# KiCad board pcb.kicad_pcb (continued)
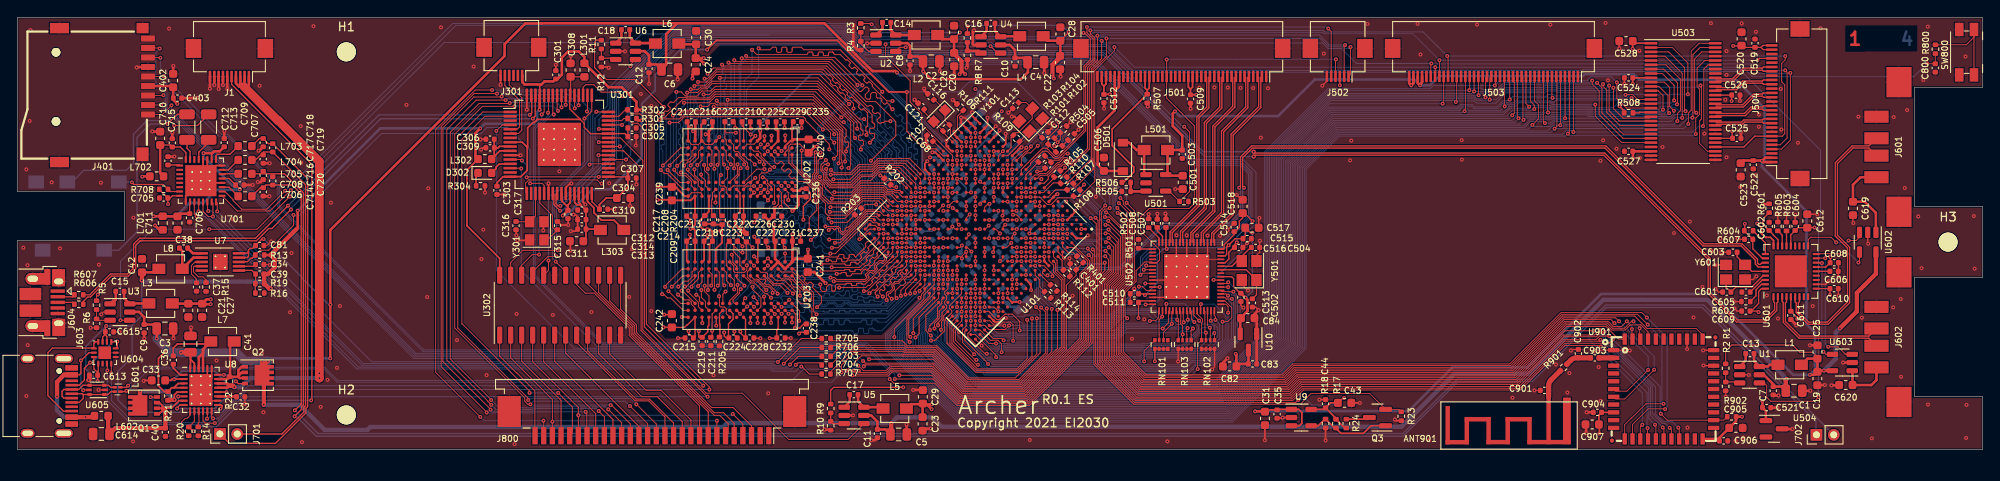
[diagram p0: board, top side]
## Routing (per net, layer and track width the routed paths; a pad name or vN(x,y) marks a point on that pad's centre or on a via; arc(x,y) is an arc through that point) (continued)
/ddr/DRAM_ADDR12: length 69.4
  Top w0.1: U202.N7 79.88,31.77 79.37,32.28 79.37,32.87 v1(79.32,32.92) ; 79.89,16.9 79.89,17.77 79.38,18.27 79.38,18.94 v1(79.39,18.95) ; U101.T22 v2(103.77,22.32) ; v1(96,32.56) 96.25,32.81 96.25,37.88 92.48,41.65 80.54,41.65 79.97,41.08 v1(79.27,41.08)
  Bottom w0.1: v1(79.27,41.08) 79.32,41.03 79.32,37.22 79.12,37.02 79.12,36.22 79.32,36.02 v1(79.32,32.92) 79.37,32.87 79.37,26.39 79.21,26.23 79.21,24.51 79.37,24.35 79.37,18.97 v1(79.39,18.95) ; v1(96,32.56) 96.18,32.38 96.18,24.26 99.23,21.21 102.13,21.21 103.24,22.32 v2(103.77,22.32)
/ddr/DRAM_ADDR13: length 68.5
  Top w0.1: v1(75.34,37.82) 76.37,37.82 77.04,38.49 90.8,38.49 91.01,38.28 91.01,38.1 93.78,35.32 v1(93.78,34.73) ; v1(75.59,18.83) 76.86,20.1 77.49,20.1 ; U202.T3 76.58,34.1 v1(75.34,32.85) ; U101.P23 v2(104.3,20.73)
  Bottom w0.1: v1(75.59,18.83) 75.48,18.94 75.48,32.71 v1(75.34,32.85) 75.44,32.96 75.44,37.71 v1(75.34,37.82) ; 94.24,34.25 94.78,33.71 94.78,33.57 94.45,33.25 94.45,32.97 94.55,32.88 94.55,31.78 95.08,31.26 95.08,24 99.42,19.66 103.23,19.66 v2(104.3,20.73) ; 94.24,34.25 93.78,34.71 v1(93.78,34.73) ; 94.24,34.25 94.22,34.27
/ddr/DRAM_ADDR14: length 69.1
  Top w0.1: v1(75.21,18.32) 76.63,16.9 77.49,16.9 ; U202.T7 76.54,30.9 v1(75.1,32.34) ; v1(74.55,38.83) 74.55,38.9 74.78,39.13 arc(74.87,39.17) 74.96,39.13 arc(75.05,39.1) 75.14,39.13 75.38,39.38 arc(75.42,39.47) 75.38,39.56 75.19,39.75 arc(75.14,39.86) 75.19,39.96 75.4,40.18 arc(75.51,40.22) 75.61,40.18 arc(75.72,40.13) 75.83,40.18 76.36,40.71 77.23,40.71 77.27,40.67 79.89,40.67 80.6,41.38 92.22,41.38 v1(95.18,38.42) ; U101.AB18 v2(102.71,27.62)
  Bottom w0.1: v2(102.71,27.62) 102.18,27.62 101.71,28.09 arc(101.69,28.14) 101.71,28.19 arc(101.73,28.24) 101.71,28.3 101.39,28.62 arc(101.34,28.64) 101.29,28.62 101.16,28.49 arc(101.09,28.46) 101.02,28.49 100.74,28.77 arc(100.71,28.85) 100.74,28.92 100.87,29.05 100.87,29.18 100.68,29.37 100.68,33.53 arc(100.65,33.6) 100.58,33.63 arc(100.51,33.66) 100.48,33.73 100.48,34.13 arc(100.51,34.2) 100.58,34.23 arc(100.65,34.26) 100.68,34.33 100.69,34.34 100.69,34.47 100.58,34.58 100.44,34.58 98.11,36.91 arc(98.04,36.93) 97.97,36.91 arc(97.9,36.88) 97.83,36.91 97.54,37.19 arc(97.51,37.26) 97.54,37.33 arc(97.57,37.4) 97.54,37.47 97.26,37.75 97.26,37.75 97.08,37.94 96.84,37.94 96.41,37.51 96.17,37.51 95.85,37.84 95.85,38.04 96.31,38.5 96.31,38.71 95.98,39.03 95.79,39.03 v1(95.18,38.42) ; v1(75.21,18.32) 75.21,18.32 75.21,32.23 v1(75.1,32.34) 74.94,32.5 74.94,38.44 v1(74.55,38.83)
/ddr/DRAM_BA0: length 68.3
  Top w0.1: v1(80.9,18.96) 81.07,19.13 81.07,20.52 80.69,20.9 ; U101.R22 v2(104.3,21.79) ; v1(80.79,40.36) 81.08,40.07 91.99,40.07 95.14,36.92 95.14,33.55 95.22,33.47 95.22,33.19 95.27,33.14 95.27,32.67 v1(95.21,32.61) ; v1(80.87,32.93) 81.06,33.13 81.06,34.52 U202.M2
  Bottom w0.1: 80.7,36.33 80.89,36.53 80.89,40.26 v1(80.79,40.36) ; 80.7,36.33 80.7,35.49 ; 80.7,36.33 80.7,35.49 ; 80.7,36.33 80.7,36.34 ; 80.7,35.49 80.7,35.49 80.7,35.14 arc(80.74,35.05) 80.83,35.01 arc(80.91,34.98) 80.95,34.89 80.95,33.02 v1(80.87,32.93) 80.89,32.91 80.89,31.94 80.88,31.94 80.88,31.57 81.01,31.44 81.01,28.39 80.81,28.18 80.81,19.06 v1(80.9,18.96) ; v2(104.3,21.79) 103.77,21.79 103.27,21.3 arc(103.22,21.27) 103.17,21.3 arc(103.12,21.32) 103.06,21.3 102.74,20.98 arc(102.72,20.93) 102.74,20.87 102.9,20.71 arc(102.95,20.61) 102.9,20.5 102.69,20.29 arc(102.59,20.25) 102.48,20.29 arc(102.37,20.33) 102.27,20.29 102.22,20.24 99.64,20.24 95.49,24.39 95.49,28.43 arc(95.52,28.49) 95.57,28.51 arc(95.62,28.53) 95.64,28.58 95.64,29.03 arc(95.62,29.09) 95.57,29.11 arc(95.52,29.13) 95.49,29.18 95.49,29.5 arc(95.52,29.56) 95.57,29.58 arc(95.62,29.6) 95.64,29.65 95.64,30.1 arc(95.62,30.16) 95.57,30.18 arc(95.52,30.2) 95.49,30.25 95.49,31.41 95.15,31.75 95.15,32.16 95.21,32.22 v1(95.21,32.61)
/ddr/DRAM_BA1: length 68.8
  Top w0.1: v1(79,18.46) 79,17.59 79.49,17.11 79.49,16.5 79.89,16.1 ; U101.P22 v2(104.83,21.26) ; v1(78.92,39.69) 79.75,39.69 80.12,40.05 80.56,40.05 80.76,39.86 91.86,39.86 94.94,36.78 94.94,33.2 v1(94.85,33.11) ; 78.97,31.73 v1(78.97,31.81) 78.97,31.62 79.48,31.11 79.48,30.5 U202.N8
  Bottom w0.1: v1(79,18.46) 79.01,18.46 79.01,32.43 78.92,32.51 78.92,39.69 v1(78.92,39.69) ; v2(104.83,21.26) 104.3,21.26 103.06,20.02 99.58,20.02 95.29,24.3 95.29,31.32 94.75,31.87 94.75,33.01 v1(94.85,33.11)
/ddr/DRAM_BA2: length 68.7
  Top w0.1: v1(94.31,33.64) 94.74,34.07 94.74,36.62 91.77,39.58 80.5,39.58 v1(80.42,39.66) ; U101.N23 104.85,20.2 v2(104.84,20.19) ; U202.M3 80.48,33.9 80.48,32.51 v1(80.51,32.48) ; 80.69,20.1 80.52,19.93 80.52,18.48 v1(80.52,18.48)
  Bottom w0.1: v2(104.84,20.19) 103.99,19.33 102.67,19.33 arc(102.56,19.29) 102.52,19.18 arc(102.47,19.08) 102.37,19.03 102.07,19.03 arc(101.96,19.08) 101.92,19.18 101.92,19.38 arc(101.9,19.42) 101.87,19.43 101.37,19.43 arc(101.33,19.42) 101.32,19.38 101.32,19.18 arc(101.27,19.08) 101.17,19.03 100.87,19.03 arc(100.76,19.08) 100.72,19.18 100.72,19.38 arc(100.7,19.42) 100.67,19.43 100.17,19.43 arc(100.13,19.42) 100.12,19.38 100.12,19.18 arc(100.07,19.08) 99.97,19.03 99.67,19.03 arc(99.56,19.08) 99.52,19.18 arc(99.47,19.29) 99.37,19.33 99.21,19.33 98.8,19.74 arc(98.78,19.79) 98.8,19.84 arc(98.82,19.9) 98.8,19.95 98.48,20.27 arc(98.43,20.29) 98.38,20.27 98.22,20.11 arc(98.11,20.06) 98.01,20.11 97.79,20.32 arc(97.75,20.43) 97.79,20.53 arc(97.84,20.64) 97.79,20.74 94.87,23.67 94.87,31.18 94.35,31.7 94.35,32.79 94.25,32.89 94.25,33.59 v1(94.31,33.64) ; v1(80.42,39.66) 80.42,38.9 80.48,38.85 80.48,32.51 v1(80.51,32.48) 80.52,32.47 80.52,29.44 80.18,29.1 80.18,28.3 80.52,27.96 80.52,18.48 v1(80.52,18.48)
/ddr/DRAM_CASB: length 69.1
  Top w0.1: U202.K3 82.8,33.58 82.8,32.55 v1(82.79,32.54) ; v1(82.8,18.54) 82.81,18.55 82.81,19.58 82.29,20.1 ; v1(82.81,45.04) 82.97,44.87 93.8,44.87 97.25,41.42 97.47,41.42 97.96,41.92 98.16,41.92 98.36,41.71 98.36,41.49 97.93,41.06 97.93,40.75 98.15,40.53 98.43,40.53 98.56,40.65 98.56,41.11 98.76,41.3 99.09,41.3 99.22,41.17 99.22,40.79 99.35,40.65 99.72,40.65 99.85,40.53 arc(99.87,40.46) 99.85,40.39 arc(99.82,40.32) 99.85,40.25 100.13,39.96 arc(100.2,39.93) 100.27,39.96 100.39,40.09 arc(100.45,40.11) 100.5,40.09 100.82,39.77 arc(100.84,39.72) 100.82,39.66 arc(100.8,39.61) 100.82,39.56 101.01,39.37 v1(101.08,39.37) ; U101.AC14 v2(104.3,30.27)
  Bottom w0.1: v1(101.08,39.37) 101.31,39.14 arc(101.33,39.07) 101.31,39 arc(101.28,38.93) 101.31,38.86 101.59,38.57 arc(101.66,38.55) 101.73,38.57 101.87,38.72 arc(101.94,38.75) 102.01,38.72 102.3,38.43 arc(102.32,38.36) 102.3,38.29 102.15,38.15 arc(102.12,38.08) 102.15,38.01 102.44,37.73 arc(102.51,37.7) 102.58,37.73 102.72,37.87 arc(102.79,37.9) 102.86,37.87 103.14,37.58 arc(103.17,37.51) 103.14,37.44 arc(103.11,37.37) 103.14,37.3 103.31,37.13 103.65,37.13 103.78,37 103.78,36.69 103.77,36.68 arc(103.74,36.61) 103.67,36.58 arc(103.6,36.55) 103.57,36.48 103.57,36.08 arc(103.6,36.01) 103.67,35.98 103.87,35.98 arc(103.94,35.95) 103.97,35.88 103.97,35.48 arc(103.94,35.41) 103.87,35.38 103.67,35.38 arc(103.6,35.35) 103.57,35.28 103.57,34.88 arc(103.6,34.81) 103.67,34.78 103.87,34.78 arc(103.94,34.75) 103.97,34.68 103.97,34.28 arc(103.94,34.21) 103.87,34.18 103.67,34.18 arc(103.6,34.15) 103.57,34.08 103.57,33.68 arc(103.6,33.61) 103.67,33.58 103.87,33.58 arc(103.94,33.55) 103.97,33.48 103.97,33.08 arc(103.94,33.01) 103.87,32.98 103.67,32.98 arc(103.6,32.95) 103.57,32.88 103.57,32.48 arc(103.6,32.41) 103.67,32.38 103.87,32.38 arc(103.94,32.35) 103.97,32.28 103.97,31.88 arc(103.94,31.81) 103.87,31.78 arc(103.8,31.75) 103.77,31.68 103.77,30.8 v2(104.3,30.27) ; 82.8,23.26 82.97,23.1 82.97,21.99 82.8,21.82 v1(82.8,18.54) ; 82.8,23.26 82.8,32.53 v1(82.79,32.54) 82.79,32.54 82.79,36.24 82.63,36.41 82.63,36.51 82.43,36.7 82.43,37.82 82.81,38.2 v1(82.81,45.04) ; 82.8,23.26 82.8,23.27
/ddr/DRAM_CKE: length 68.1
  Top w0.1: U101.AB17 v2(103.24,28.15) ; U202.K9 81.87,29.71 81.87,30.3 81.68,30.49 81.23,30.49 81.1,30.62 81.1,31.59 v1(81.26,31.75) ; v1(97.81,38.23) 97.24,38.23 92.48,42.99 v1(81.14,42.99) ; 100.97,30.53 R202.2 101.14,30.36 v1(101.52,30.36) ; v1(81.04,17.73) 81.11,17.67 81.11,16.62 81.24,16.49 81.69,16.49 81.88,16.3 81.88,15.71 82.29,15.3
  Bottom w0.1: v1(97.81,38.23) 101.52,34.52 101.52,33.26 ; v1(81.04,17.73) 81.04,18.26 81.28,18.5 81.28,24.55 81.64,24.91 81.64,25.85 ; v2(103.24,28.15) 102.71,28.15 101.52,29.34 v1(101.52,30.36) 101.52,33.26 ; v1(81.14,42.99) 81.25,42.88 81.25,36.54 81.42,36.37 81.42,36.3 81.5,36.22 81.5,36.06 81.43,35.98 81.43,35.81 81.25,35.62 81.25,26.25 81.64,25.85 ; 81.64,25.85 81.45,26.05 ; 101.52,33.26 101.52,30.54
/ddr/DRAM_CKN: length 70.1
  Top w0.1: v1(83.67,45.25) 83.78,45.14 94.08,45.14 v1(97.04,42.18) ; v1(83.18,32.97) 83.17,32.96 83.17,32.45 83.16,32.44 83.16,31.81 82.28,30.93 U202.K7 ; v1(97.27,24.33) 97.53,24.33 98.17,24.97 U101.AD25 ; v1(83.19,19.04) 83.18,19.03 83.18,18.13 82.29,17.24 82.29,16.9
  Bottom w0.1: v1(97.27,24.33) 97.27,24.54 97.05,24.76 97.05,33.27 96.12,34.2 96.12,34.63 94.87,35.88 93.37,35.88 92.44,36.8 92.44,37.25 97.04,41.85 v1(97.04,42.18) ; v1(83.67,45.25) 83.67,44.9 83.37,44.59 83.37,33.16 v1(83.18,32.97) 83.17,32.96 83.17,19.06 v1(83.19,19.04)
/ddr/DRAM_CKP: length 70.8
  Top w0.1: 83.36,31.73 83.36,31.83 ; 83.36,31.73 83.36,32.36 v1(83.55,32.55) ; 83.36,31.73 82.88,31.25 82.88,31.1 U202.J7 ; v1(84.17,45.53) 84.33,45.37 94.41,45.37 97.6,42.18 v1(97.6,42.12) ; U203.J7 82.84,16.9 82.67,17.08 82.67,17.33 83.38,18.04 83.38,18.37 v1(83.56,18.55) ; v1(97.5,24.84) 97.74,24.84 98.4,25.5 U101.AD24
  Bottom w0.1: v1(97.5,24.84) 97.33,24.84 97.25,24.93 97.25,33.35 96.32,34.28 96.32,34.71 94.95,36.08 93.45,36.08 92.64,36.89 92.64,37.17 v1(97.6,42.12) ; v1(84.17,45.53) 84.17,45.12 83.57,44.51 83.57,33.08 83.56,33.08 83.56,32.57 v1(83.55,32.55) 83.37,32.38 83.37,19.42 83.57,19.22 83.57,18.56 v1(83.56,18.55)
/ddr/DRAM_CSB: length 69.1
  Top w0.1: 81.49,20.9 81.89,20.5 81.89,19.54 v1(82.42,19.01) ; v1(82.41,32.98) 81.88,33.51 81.88,34.5 U202.L2 ; v1(82.14,44.75) 82.24,44.66 93.61,44.66 98.02,40.24 99.16,40.24 101.46,37.94 101.46,36.28 v1(98.59,33.41) ; U101.AB23 v2(100.05,24.97)
  Bottom w0.1: 82.08,23.02 82.24,23.18 ; 82.08,23.02 82.08,22.16 82.41,21.84 82.41,19.02 v1(82.42,19.01) ; 82.08,23.02 82.41,23.35 82.41,32.98 v1(82.41,32.98) 82.43,33 82.43,36.42 82.23,36.62 82.23,37.91 82.42,38.1 82.42,44.47 v1(82.14,44.75) ; v2(100.05,24.97) 99.04,24.97 98.59,25.42 v1(98.59,33.41)
/ddr/DRAM_DATA0: length 22.2
  Top w0.1: v1(94.44,23.91) 95.01,23.91 98.07,26.97 99.19,26.97 99.6,26.56 U101.AD22 ; U202.A7 89.91,30.47 v1(89.95,30.47)
  Bottom w0.1: v1(89.95,30.47) 89.55,30.07 89.55,29.79 89.86,29.49 90.08,29.49 90.25,29.65 90.25,30.1 90.61,30.47 90.84,30.47 90.95,30.36 90.95,29.64 91.13,29.46 91.34,29.46 91.49,29.61 91.49,30.32 91.65,30.47 91.99,30.47 92.11,30.35 92.11,30.19 91.96,30.04 91.96,29.78 92.01,29.73 92.16,29.73 92.38,29.94 92.59,29.94 94.01,28.53 94.02,28.54 94.45,28.54 94.62,28.37 94.62,27.91 94.62,27.91 94.62,24.1 v1(94.44,23.91)
/ddr/DRAM_DATA1: length 22.6
  Top w0.1: v1(93.91,22.66) 94.47,22.66 98.3,26.49 98.61,26.49 98.87,26.22 99.33,26.22 U101.AD23 ; v1(91.65,24.25) 92.55,25.15 92.55,28.98 92.41,29.12 92.41,30.16 89.48,33.09 U202.A3
  Bottom w0.1: v1(93.91,22.66) 93.27,22.66 93.01,22.93 arc(92.97,23.03) 93.01,23.14 arc(93.06,23.24) 93.01,23.35 92.8,23.56 arc(92.69,23.61) 92.59,23.56 92.37,23.35 arc(92.27,23.31) 92.16,23.35 91.95,23.56 arc(91.91,23.67) 91.95,23.77 arc(91.99,23.88) 91.95,23.99 91.69,24.25 v1(91.65,24.25)
/ddr/DRAM_DATA2: length 21.3
  Top w0.1: v1(90.59,34.58) 90.59,32.26 92.61,30.24 92.61,29.2 93.34,28.47 93.34,27.33 93.57,27.11 95.68,27.11 97.6,29.03 99.71,29.03 U101.AE20 ; U202.C2 87.91,34.9 v1(88.27,34.54)
  Bottom w0.1: v1(88.27,34.54) 88.75,35.02 89.07,35.02 89.23,34.86 89.23,34.53 89.38,34.37 89.4,34.39 89.75,34.39 89.87,34.51 89.87,34.88 90.06,35.06 90.45,35.06 90.6,34.91 90.6,34.87 90.59,34.86 v1(90.59,34.58)
/ddr/DRAM_DATA3: length 22.1
  Top w0.1: U202.A2 89.11,34.53 89.11,33.18 92.15,30.14 92.15,29.09 92.34,28.91 92.34,27.67 92.1,27.43 ; 92.1,27.43 91.46,26.79 v1(91.46,25.41) ; 92.1,27.43 92.06,27.4 ; U101.AE23 98.82,26.74 98.19,26.74 94.79,23.34 v1(94.09,23.34)
  Bottom w0.1: v1(94.09,23.34) 93.56,23.34 92.85,24.05 arc(92.8,24.16) 92.85,24.26 arc(92.89,24.37) 92.85,24.47 92.64,24.69 arc(92.53,24.73) 92.42,24.69 92.21,24.47 arc(92.11,24.43) 92,24.47 91.79,24.69 arc(91.74,24.79) 91.79,24.9 arc(91.83,25.01) 91.79,25.11 91.49,25.41 v1(91.46,25.41)
/ddr/DRAM_DATA4: length 21.8
  Top w0.1: v1(87.39,28.53) 87.44,28.59 87.44,30.53 U202.D7 ; v1(93.78,24.29) 95.11,24.29 98.09,27.27 99.35,27.27 U101.AE22
  Bottom w0.1: v1(87.39,28.53) 86.88,28.02 86.88,27.39 87.06,27.2 87.19,27.2 87.43,27.44 87.55,27.44 87.79,27.2 87.79,27.17 87.52,26.9 87.52,26.75 87.66,26.61 87.73,26.59 87.79,26.61 87.81,26.63 88.01,26.83 arc(88.11,26.87) 88.22,26.83 88.43,26.61 arc(88.48,26.51) 88.43,26.4 arc(88.39,26.3) 88.43,26.19 88.72,25.9 89.61,25.9 arc(89.72,25.95) 89.76,26.05 arc(89.8,26.16) 89.91,26.2 90.21,26.2 arc(90.32,26.16) 90.36,26.05 90.36,25.75 arc(90.4,25.65) 90.51,25.6 90.81,25.6 arc(90.92,25.65) 90.96,25.75 90.96,26.05 arc(91,26.16) 91.11,26.2 91.41,26.2 arc(91.52,26.16) 91.56,26.05 arc(91.6,25.95) 91.71,25.9 91.99,25.9 93.6,24.29 v1(93.78,24.29)
/ddr/DRAM_DATA5: length 22.3
  Top w0.1: v1(89.04,28.86) 89.04,29.73 U202.B8 ; U101.AD19 101.07,28.15 99.96,29.25 97.54,29.25 95.78,27.49 v1(93.85,27.49)
  Bottom w0.1: v1(93.85,27.49) 93.34,28 93.34,28.12 93.66,28.45 93.66,28.57 93.36,28.87 93.22,28.87 92.79,28.45 92.68,28.45 92.39,28.74 92.39,28.85 92.81,29.27 92.81,29.44 92.66,29.59 92.5,29.59 92.21,29.3 91.84,29.3 91.55,29 91.52,29 91.38,29.14 91.24,29.14 91.12,29.02 91.12,28.61 90.96,28.46 90.79,28.46 90.64,28.6 90.64,29.1 90.5,29.24 90.27,29.24 90.17,29.13 90.17,28.71 89.96,28.51 89.89,28.51 89.69,28.71 89.69,29.19 89.16,29.71 88.84,29.71 88.66,29.53 88.66,29.25 v1(89.04,28.86)
/ddr/DRAM_DATA6: length 23.5
  Top w0.1: U202.C3 87.88,34.1 v1(87.5,34.48) ; U101.AD18 101.65,28.68 100.86,29.47 100.31,29.47 100.01,29.77 97.5,29.77 96.16,28.44 93.67,28.44 92.81,29.3 92.81,30.33 91.87,31.27 91.87,31.84 92.09,32.06 92.09,34.26 v1(92.21,34.38)
  Bottom w0.1: v1(92.21,34.38) 91.92,34.09 91.77,34.09 91.66,34.2 91.66,34.61 91.55,34.73 91.31,34.73 91.22,34.64 91.22,34.22 91.1,34.09 89.2,34.09 89.07,34.22 89.07,34.41 88.94,34.54 88.78,34.54 88.7,34.46 88.7,34.17 88.63,34.09 87.89,34.09 v1(87.5,34.48)
/ddr/DRAM_DATA7: length 24.7
  Top w0.1: v1(93.91,28.04) 96.05,28.04 97.52,29.52 99.98,29.52 100.82,28.68 U101.AE19 ; U202.C8 88.27,29.71 88.27,28.17 v1(88.17,28.07)
  Bottom w0.1: v1(88.17,28.07) 87.86,27.76 87.86,27.53 88.01,27.37 88.13,27.37 88.53,27.78 88.73,27.78 88.93,27.57 88.93,27.39 88.58,27.03 88.58,26.86 88.79,26.65 88.92,26.65 89.38,27.11 89.62,27.11 89.77,26.96 89.77,26.61 89.91,26.46 90.08,26.46 90.23,26.61 90.23,26.98 90.36,27.11 91.23,27.11 ; 91.23,27.11 91.46,26.88 ; 91.23,27.11 93.45,24.89 93.94,24.89 94.43,25.37 94.43,27.53 v1(93.91,28.04)
/ddr/DRAM_DATA8: length 23.1
  Top w0.1: 84.76,34.82 U202.G2 85.06,34.52 85.61,34.52 85.9,34.22 85.9,33.94 87.16,32.68 v1(87.42,32.68) ; U101.AE14 102.24,32.86 99.46,32.86 98.78,32.18 97.52,32.18 96.21,30.88 94.09,30.88 93.5,31.47 93.5,32.38 v1(93.42,32.46)
  Bottom w0.1: v1(87.42,32.68) 87.67,32.42 93.38,32.42 v1(93.42,32.46)
/ddr/DRAM_DATA9: length 22.7
  Top w0.1: v1(92.77,34.35) 92.29,33.88 92.29,31.98 92.07,31.75 92.07,31.35 92.53,30.89 92.66,30.89 93.01,30.54 93.01,29.47 93.84,28.64 96.08,28.64 97.47,30.03 100.04,30.03 100.39,29.67 101.11,29.67 101.56,29.21 U101.AE18 ; v1(86.68,34.51) 86.68,34.5 U202.E3
  Bottom w0.1: v1(92.77,34.35) 92.22,33.8 87.38,33.8 v1(86.68,34.51)
/ddr/DRAM_DATA10: length 23.1
  Top w0.1: v1(92.87,33.8) 92.49,33.43 92.49,31.9 92.27,31.67 92.27,31.43 92.61,31.08 92.74,31.08 93.21,30.62 93.21,30.38 94.17,29.42 94.22,29.42 94.28,29.35 96.23,29.35 97.42,30.54 100.09,30.54 100.56,30.07 101.27,30.07 101.38,29.96 101.96,29.96 U101.AE17 ; U202.F2 85.87,35.29 v1(85.87,35.3)
  Bottom w0.1: v1(85.87,35.3) 85.87,34.78 87.17,33.47 92.54,33.47 v1(92.87,33.8)
/ddr/DRAM_DATA11: length 23
  Top w0.1: U202.H3 84.46,33.52 84.65,33.52 85.18,32.99 v1(85.18,32.98) ; v1(92.69,31.54) 92.69,31.41 93.83,30.28 96.59,30.28 97.4,31.09 98.53,31.09 99.54,32.1 101.34,32.1 103.24,30.2 U101.AD16
  Bottom w0.1: v1(85.18,32.98) 86.57,31.59 ; 86.57,31.59 92.64,31.59 v1(92.69,31.54) ; 86.57,31.59 86.59,31.59
/ddr/DRAM_DATA12: length 22.1
  Top w0.1: U202.H8 84.26,30.48 v1(85.09,30.48) ; v1(94.38,29.76) 96.36,29.76 97.44,30.84 100.22,30.84 100.53,31.16 101.82,31.16 U101.AE16
  Bottom w0.1: v1(94.38,29.76) 93.65,29.76 93.34,30.07 93.34,30.24 93.65,30.55 93.65,30.7 93.44,30.92 93.24,30.92 92.96,30.64 92.78,30.64 92.23,31.19 87.54,31.19 86.45,30.1 85.46,30.1 v1(85.09,30.48)
/ddr/DRAM_DATA13: length 21.6
  Top w0.1: v1(94.26,31.26) 96.18,31.26 97.35,32.43 98.74,32.43 99.43,33.12 102.52,33.12 104.3,31.34 U101.AD14 ; U202.F8 85.48,30.1 v1(85.86,30.49)
  Bottom w0.1: v1(94.26,31.26) 94.13,31.13 92.57,31.13 92.31,31.39 86.77,31.39 v1(85.86,30.49)
/ddr/DRAM_DATA14: length 22.7
  Top w0.1: v1(93.97,32.36) 94.32,32.01 96.24,32.01 97.18,32.95 98.7,32.95 99.42,33.67 103.04,33.67 104.83,31.89 U101.AD13 ; U202.F7 85.7,31.12 85.7,31.73 85.98,32.01 86.59,32.01 86.93,32.35 v1(86.93,32.38)
  Bottom w0.1: v1(93.97,32.36) 93.66,32.05 93.01,32.05 92.83,32.23 87.08,32.23 v1(86.93,32.38)
/ddr/DRAM_DATA15: length 22.7
  Top w0.1: v1(93.96,31.8) 96.35,31.8 97.25,32.7 98.73,32.7 99.43,33.4 102.76,33.4 U101.AE13 ; v1(86.3,32.43) 85.41,32.43 U202.H7
  Bottom w0.1: v1(93.96,31.8) 92.98,31.8 92.75,32.02 87.53,32.02 87.37,31.86 86.87,31.86 v1(86.3,32.43)
/ddr/DRAM_DATA16: length 21.2
  Top w0.1: U203.G2 84.31,20.53 84.31,19.95 84.76,19.5 85.46,19.5 v1(86.5,18.45) ; v1(92.88,20.66) 94.43,20.66 94.51,20.73 95.5,20.73 arc(95.54,20.74) 95.55,20.78 arc(95.57,20.81) 95.6,20.83 96.1,20.83 arc(96.14,20.81) 96.15,20.78 96.15,20.65 arc(96.18,20.6) 96.23,20.58 96.68,20.58 arc(96.73,20.6) 96.75,20.65 96.75,20.78 arc(96.77,20.81) 96.8,20.83 97.3,20.83 arc(97.34,20.81) 97.35,20.78 arc(97.37,20.74) 97.4,20.73 97.98,21.3 arc(98.03,21.33) 98.08,21.3 arc(98.14,21.28) 98.19,21.3 98.51,21.62 arc(98.53,21.67) 98.51,21.73 98.42,21.82 arc(98.41,21.85) 98.42,21.89 98.77,22.24 arc(98.81,22.25) 98.84,22.24 98.93,22.15 arc(98.99,22.13) 99.04,22.15 99.36,22.47 arc(99.38,22.52) 99.36,22.58 99.27,22.66 arc(99.25,22.7) 99.27,22.74 99.62,23.09 arc(99.66,23.1) 99.69,23.09 arc(99.73,23.07) 99.76,23.09 U101.AA25
  Bottom w0.1: v1(92.88,20.66) 88.7,20.66 87.73,19.68 arc(87.68,19.66) 87.62,19.68 arc(87.57,19.7) 87.52,19.68 87.2,19.36 arc(87.18,19.31) 87.2,19.26 87.3,19.15 arc(87.33,19.1) 87.3,19.04 86.99,18.73 arc(86.93,18.7) 86.88,18.73 arc(86.83,18.75) 86.77,18.73 v1(86.5,18.45)
/ddr/DRAM_DATA17: length 21.1
  Top w0.1: U101.W24 101.65,22.39 100.88,21.62 arc(100.84,21.61) 100.81,21.62 arc(100.77,21.64) 100.74,21.62 100.38,21.27 arc(100.37,21.23) 100.38,21.2 100.47,21.11 arc(100.49,21.06) 100.47,21 100.15,20.68 arc(100.1,20.66) 100.05,20.68 99.96,20.77 arc(99.92,20.79) 99.89,20.77 99.53,20.42 arc(99.52,20.38) 99.53,20.35 99.62,20.26 arc(99.64,20.21) 99.62,20.15 99.3,19.84 arc(99.25,19.81) 99.2,19.84 99.11,19.92 arc(99.07,19.94) 99.04,19.92 98.69,19.57 arc(98.67,19.54) 98.69,19.5 98.77,19.41 arc(98.8,19.36) 98.77,19.31 98.46,18.99 arc(98.4,18.97) 98.35,18.99 arc(98.3,19.01) 98.24,18.99 97.99,18.73 v1(94.93,18.73) ; v1(88.95,18.12) 88.06,19.01 87.31,19.01 86.28,20.04 U203.E3
  Bottom w0.1: v1(88.95,18.12) 89.55,18.71 90.37,18.71 arc(90.42,18.73) 90.44,18.79 arc(90.47,18.84) 90.52,18.86 90.97,18.86 arc(91.02,18.84) 91.04,18.79 91.04,18.59 arc(91.08,18.5) 91.17,18.46 91.52,18.46 arc(91.61,18.5) 91.64,18.59 91.64,18.79 arc(91.67,18.84) 91.72,18.86 92.17,18.86 arc(92.22,18.84) 92.24,18.79 arc(92.27,18.73) 92.32,18.71 93.04,18.71 arc(93.12,18.68) 93.16,18.59 arc(93.2,18.5) 93.29,18.46 93.64,18.46 arc(93.72,18.5) 93.76,18.59 93.76,18.86 arc(93.8,18.97) 93.91,19.01 94.21,19.01 arc(94.32,18.97) 94.36,18.86 arc(94.4,18.76) 94.51,18.71 94.91,18.71 v1(94.93,18.73)
/ddr/DRAM_DATA18: length 22.3
  Top w0.1: v1(97.78,18.33) 98.13,18.33 101.59,21.79 U101.V25 ; U203.F2 85.88,20.5 86.51,20.5 86.65,20.37 86.65,19.96 87.39,19.21 88.42,19.21 v1(89.59,18.04)
  Bottom w0.1: v1(89.59,18.04) 89.81,18.26 93.75,18.26 95.22,18.26 95.43,18.47 95.43,18.82 95.84,19.24 96.19,19.24 96.41,19.02 96.41,18.39 96.53,18.26 96.9,18.26 97.08,18.44 97.08,19.19 97.3,19.4 97.43,19.4 97.77,19.06 97.77,18.33 v1(97.78,18.33)
/ddr/DRAM_DATA19: length 23.3
  Top w0.1: v1(87.05,17.56) 86.56,18.05 86.36,18.05 85.14,19.27 84.71,19.27 U203.H3 ; U101.W25 97.93,19.13 97.58,19.13 arc(97.54,19.14) 97.53,19.18 arc(97.51,19.22) 97.48,19.23 96.98,19.23 arc(96.94,19.22) 96.93,19.18 96.93,19.06 arc(96.91,19) 96.85,18.98 96.4,18.98 arc(96.35,19) 96.33,19.06 96.33,19.18 arc(96.31,19.22) 96.28,19.23 95.78,19.23 arc(95.74,19.22) 95.73,19.18 arc(95.71,19.14) 95.68,19.13 94.79,19.13 94.75,19.09 94.6,19.09 94.49,18.99 94.49,18.48 94.33,18.32 94.17,18.32 94.07,18.41 94.07,18.95 93.93,19.09 93.76,19.09 93.47,18.8 93.47,18.42 93.32,18.27 93.01,18.27 92.78,18.5 92.78,19.04 v1(92.74,19.09)
  Bottom w0.1: v1(87.05,17.56) 87.89,17.56 88.55,18.23 88.55,18.26 89.39,19.09 v1(92.74,19.09)
/ddr/DRAM_DATA20: length 21.1
  Top w0.1: v1(84.93,18.83) 84.93,18.51 85.88,17.56 85.88,16.5 U203.F8 ; U101.AC25 98.61,24.06 arc(98.51,24.01) 98.4,24.06 arc(98.29,24.1) 98.19,24.06 97.98,23.85 arc(97.93,23.74) 97.98,23.63 arc(98.02,23.53) 97.98,23.42 96.82,22.27 arc(96.72,22.31) 96.67,22.42 arc(96.63,22.52) 96.52,22.57 96.22,22.57 arc(96.12,22.52) 96.07,22.42 96.07,22.19 arc(96.05,22.14) 96,22.12 95.55,22.12 arc(95.49,22.14) 95.47,22.19 95.47,22.42 arc(95.43,22.52) 95.32,22.57 95.02,22.57 arc(94.92,22.52) 94.87,22.42 arc(94.83,22.31) 94.72,22.27 93.75,22.27 93.71,22.31 93.03,22.31 v1(92.99,22.27)
  Bottom w0.1: v1(92.99,22.27) 88.37,22.27 v1(84.93,18.83)
/ddr/DRAM_DATA21: length 21.9
  Top w0.1: U203.F7 85.48,17.18 v1(85.04,17.62) ; U101.AB25 97.09,21.47 96.94,21.47 arc(96.87,21.5) 96.84,21.57 arc(96.81,21.64) 96.74,21.67 96.34,21.67 arc(96.27,21.64) 96.24,21.57 96.24,21.4 arc(96.22,21.34) 96.17,21.32 95.72,21.32 arc(95.66,21.34) 95.64,21.4 arc(95.62,21.45) 95.57,21.47 92.91,21.47 v1(92.88,21.44)
  Bottom w0.1: v1(92.88,21.44) 92.5,21.44 arc(92.42,21.47) 92.4,21.54 arc(92.37,21.61) 92.3,21.64 91.9,21.64 arc(91.82,21.61) 91.8,21.54 91.8,21.37 arc(91.77,21.31) 91.72,21.29 91.27,21.29 arc(91.22,21.31) 91.2,21.37 91.2,21.54 arc(91.17,21.61) 91.1,21.64 90.7,21.64 arc(90.62,21.61) 90.6,21.54 90.6,21.37 arc(90.57,21.31) 90.52,21.29 90.07,21.29 arc(90.02,21.31) 90,21.37 90,21.54 arc(89.97,21.61) 89.9,21.64 89.5,21.64 arc(89.42,21.61) 89.4,21.54 89.4,21.54 89.4,21.38 89.3,21.28 88.97,21.28 88.92,21.34 88.92,21.53 88.8,21.65 88.56,21.65 88.36,21.44 arc(88.33,21.37) 88.36,21.3 arc(88.39,21.23) 88.36,21.16 88.08,20.88 arc(88,20.85) 87.93,20.88 arc(87.86,20.9) 87.79,20.88 87.51,20.59 arc(87.48,20.52) 87.51,20.45 arc(87.54,20.38) 87.51,20.31 87.23,20.03 arc(87.16,20) 87.09,20.03 arc(87.02,20.06) 86.94,20.03 86.66,19.74 arc(86.63,19.67) 86.66,19.6 arc(86.69,19.53) 86.66,19.46 86.38,19.18 arc(86.31,19.15) 86.24,19.18 arc(86.17,19.21) 86.1,19.18 85.71,18.8 85.71,18.61 85.84,18.49 85.84,18.27 85.59,18.02 85.46,18.02 85.28,18.2 85.11,18.2 85.04,18.12 v1(85.04,17.62)
/ddr/DRAM_DATA22: length 21.5
  Top w0.1: U203.H8 83.88,16.13 v1(84.29,16.54) ; v1(94.06,21.07) 97.27,21.07 97.66,21.46 arc(97.69,21.48) 97.73,21.46 arc(97.76,21.45) 97.8,21.46 98.15,21.82 arc(98.17,21.85) 98.15,21.89 98.05,21.99 arc(98.02,22.06) 98.05,22.13 98.33,22.42 arc(98.4,22.45) 98.47,22.42 arc(98.54,22.39) 98.61,22.42 98.89,22.7 arc(98.92,22.77) 98.89,22.84 arc(98.86,22.91) 98.89,22.98 99.18,23.27 arc(99.25,23.29) 99.32,23.27 arc(99.39,23.24) 99.46,23.27 100.05,23.86 U101.AB24
  Bottom w0.1: v1(84.29,16.54) 84.49,16.54 84.62,16.67 arc(84.64,16.72) 84.62,16.77 arc(84.6,16.83) 84.62,16.88 84.94,17.2 arc(84.99,17.22) 85.04,17.2 85.2,17.04 arc(85.31,17) 85.41,17.04 85.63,17.25 arc(85.67,17.36) 85.63,17.46 arc(85.58,17.57) 85.63,17.68 86.1,18.15 86.1,18.59 88.56,21.05 94.04,21.05 v1(94.06,21.07)
/ddr/DRAM_DATA23: length 21.1
  Top w0.1: U203.H7 83.88,17.3 v1(84.08,17.5) ; v1(93.57,21.91) 93.92,21.91 arc(93.99,21.89) 94.02,21.81 arc(94.05,21.74) 94.12,21.71 94.52,21.71 arc(94.59,21.74) 94.62,21.81 94.62,21.99 arc(94.65,22.04) 94.7,22.06 95.15,22.06 arc(95.2,22.04) 95.22,21.99 95.22,21.81 arc(95.25,21.74) 95.32,21.71 95.72,21.71 arc(95.79,21.74) 95.82,21.81 arc(95.85,21.89) 95.92,21.91 96.93,21.91 arc(97,21.94) 97.07,21.91 arc(97.14,21.89) 97.21,21.91 97.49,22.2 arc(97.52,22.27) 97.49,22.34 97.39,22.45 arc(97.37,22.48) 97.39,22.52 97.74,22.87 arc(97.78,22.88) 97.81,22.87 97.92,22.76 arc(97.99,22.73) 98.06,22.76 98.34,23.05 arc(98.37,23.12) 98.34,23.19 98.24,23.29 arc(98.22,23.33) 98.24,23.36 98.59,23.72 arc(98.63,23.73) 98.66,23.72 arc(98.7,23.7) 98.73,23.72 99.52,24.51 U101.AC24
  Bottom w0.1: v1(84.08,17.5) 84.14,17.5 88.51,21.88 93.53,21.88 v1(93.57,21.91)
